# Altium PCB PCB_Droppy_v1.PcbDoc (continued)
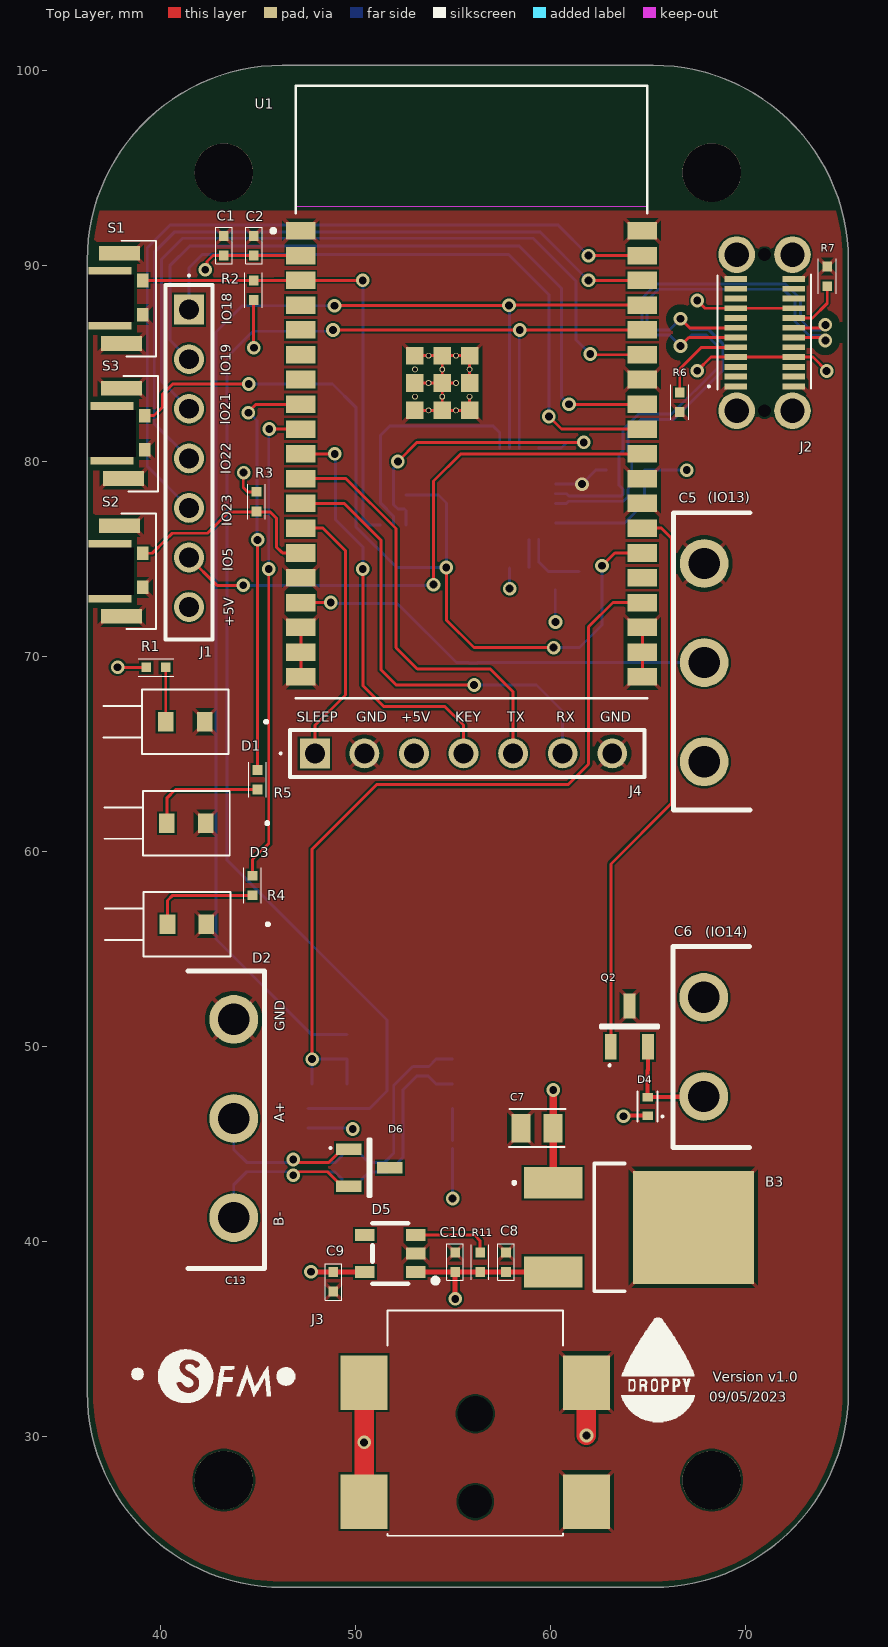
[diagram p0: Top Layer view]
## Components (designator, comment, footprint, x,y, rotation, side; value= is the part's Value field where it differs from the comment) (continued)
S1 "2425578-1" 2425578-1 39.409,88.369 r90 top
S2 "2425578-1" 2425578-1 39.409,74.391 r90 top
S3 "2425578-1" 2425578-1 39.51,81.446 r90 top
U1 "ESP32-WROVER-IE-N16R8" XCVR_ESP32-WROVER-E-N4R8 55.95,83.54 r0 top locked
X1 "CRCW040210R0FKEDHP" RESC1005X40N 49.825,43.198 r180 bottom
X2 "CRCW040210R0FKEDHP" RESC1005X40N 49.825,44.418 r180 bottom

## Footprints (in the part's own frame and the unit in brackets; to place one, negate y for a bottom-side part, rotate by r counter-clockwise, add the part's x,y. Pads: shape width x height; smd on the part's side, far side on the other; paste and mask are expansions set on the pad)
1SS400CSFHT2RA [mm]
  rect 0.55x0.45 smd: 1(0,0.475) 2(0,-0.474)
  silkscreen extent -0.81,-0.76 0.51,0.76, body extent -0.3,-0.65 0.3,0.65, height 0.5
5EDGRHC-7.62-02P-10020000939 [mm]
  round 2.5 hole 1.6: 1(2.6,1.2) 2(7.68,1.2)
  silkscreen extent 0,-0.38 10.29,3.56, body extent 0.13,0 10.29,9.2, height 2.4
15EDGRC-5.08-03P-10030000282 [mm]
  round 2.5 hole 1.6: 1(2.6,1.2) 2(7.68,1.2) 3(12.76,1.2)
  silkscreen extent 0,-0.38 15.24,3.56, body extent 0,0 15.24,9.2, height 7.24
54101S0807LF [mm]
  rect 1.53x1.53 hole 1.02: 1(0,0)
  round 1.53 hole 1.02: 2(2.54,0) 3(5.08,0) 4(7.62,0) 5(10.16,0) 6(12.7,0) 7(15.24,0)
  silkscreen extent -1.8,-1.2 16.9,1.2
2425578-1 [mm]
  rect 0.7x0.6 smd: 1(-0.864,0.3) 2(0.884,0.3)
  rect 0.75x2.1 smd: GND(-2.341,1.4) GND(2.286,1.5)
  rect 3.2x2.2 hole 2.4 square: GND(-0.03,1.977)
  silkscreen extent -3,-0.38 2.92,1.4, body extent -2.26,0.1 2.24,3.1, height 1.6
5942604013F [mm]
  rect 0.8x0.99 smd: 1(0.995,0) 2(-0.995,0)
  silkscreen extent -4.19,-1.65 4.2,1.65, body extent -5.65,-2.16 3.11,2.16, height 5.03
CAPC1005X40N [mm]
  rect 0.5x0.5 smd: 1(-0.5,0) 2(0.5,0)
  silkscreen extent -0.95,-0.43 0.92,0.43, body extent -0.5,-0.25 0.5,0.25
CAPC1608X90N [mm]
  rect 0.75x0.94 smd: 1(-0.7,0) 2(0.7,0)
  silkscreen extent -1.38,-0.67 1.4,0.68, body extent -0.8,-0.4 0.8,0.4, height 0.9
CAPC2012X145N [mm]
  rect 0.97x1.47 smd: 1(-0.83,0) 2(0.83,0)
  silkscreen extent -1.44,-0.97 1.47,0.98, body extent -1,-0.63 1,0.63, height 1.45
MC7805CDTG [mm]
  rect 1.6x3 smd: 1(-2.285,-5.152) 3(2.285,-5.152)
  rect 5.8x6.2 smd: 2(0,2.027)
  silkscreen extent -3.27,-7.2 3.27,-1.5, body extent -3.25,-5.72 3.25,4.19, height 2.39
PJ002AHSMTTR [mm]
  rect 2.8x2.4 smd: 2(-2.4,-5.7) 3(3.7,-5.7) A1(3.7,5.7) B1(-2.4,5.7)
  round 0.85 hole 1.7 unplated: MH1(-2.4,0)
  round 0.9 hole 1.8 unplated: MH2(2.1,0)
  silkscreen extent -4.15,-4.5 7.4,4.5, body extent -7.4,-6.35 7.4,6.25, height 11.2
QFN50P500X500X80-29N-D [mm]
  rect 1x0.3 smd: 1(-2.35,1.5) 2(-2.35,1) 3(-2.35,0.5) 4(-2.35,0) 5(-2.35,-0.5) 6(-2.35,-1) 7(-2.35,-1.5) 15(2.35,-1.5) 16(2.35,-1) 17(2.35,-0.5) 18(2.35,0) 19(2.35,0.5) 20(2.35,1) 21(2.35,1.5)
  rect 0.3x1 smd: 8(-1.5,-2.35) 9(-1,-2.35) 10(-0.5,-2.35) 11(0,-2.35) 12(0.5,-2.35) 13(1,-2.35) 14(1.5,-2.35) 22(1.5,2.35) 23(1,2.35) 24(0.5,2.35) 25(0,2.35) 26(-0.5,2.35) 27(-1,2.35) 28(-1.5,2.35)
  rect 3.35x3.35 smd: 29(0,0)
  silkscreen extent -3.55,-3.13 3.18,3.07, body extent -2.55,-2.55 2.55,2.55, height 0.8
RESC1005X40N [mm]
  rect 0.5x0.5 smd: 1(-0.5,0) 2(0.5,0)
  silkscreen extent -0.9,-0.45 0.9,0.45, body extent -0.5,-0.25 0.5,0.25, height 0.4
SOIC127P600X175-8N [mm]
  rect 1.528x0.65 smd: 1(-2.711,1.905) 2(-2.711,0.635) 3(-2.711,-0.635) 4(-2.711,-1.905) 5(2.711,-1.905) 6(2.711,-0.635) 7(2.711,0.635) 8(2.711,1.905)
  silkscreen extent -1.6,-2.45 1.6,2.45, body extent -3,-2.45 3,2.45, height 1.75
SOP65P488X117-8N [mm]
  rect 1.4x0.45 smd: 1(-2.2,0.975) 2(-2.2,0.325) 3(-2.2,-0.325) 4(-2.2,-0.975) 5(2.2,-0.975) 6(2.2,-0.325) 7(2.2,0.325) 8(2.2,0.975)
  silkscreen extent -3.38,-1.5 1.15,1.5, body extent -2.44,-1.5 2.44,1.5, height 1.17
SOT95P237X112-3N [mm]
  rect 1.3x0.6 smd: 1(-1.05,0.95) 2(-1.05,-0.95) 3(1.05,0)
  silkscreen extent -1.99,-1.46 0.05,1.46, body extent -1.44,-1.46 0.93,1.46, height 1.12
SOT-23-5_L2.9-W1.6-P0.95-LS2.8-BR [mm]
  rect 1x0.6 smd mask+0.051: 1(0.456,2.728) 2(0.456,1.778) 3(0.456,0.828) 4(3.056,0.828) 5(3.056,2.728)
  silkscreen extent -0.68,0.23 2.66,3.33, body extent 0.34,0.35 3.14,3.25, height 1.25
UMH3NTN [mm]
  rect 0.65x0.4 smd: 1(-0.775,0.65) 2(-0.775,0) 4(0.775,-0.65) 5(0.775,0) 6(0.775,0.65)
  rect 0.65x0.4 smd mask+0.1: 3(-0.775,-0.65)
  silkscreen extent -1.59,-1.05 1.3,1.05, body extent -1.05,-1 1.05,1, height 1
USB4160030170C [mm]
  rect 0.3x1.15 smd: A1(-2.75,1.485) A2(-2.25,1.485) A3(-1.75,1.485) A4(-1.25,1.485) A5(-0.75,1.485) A6(-0.25,1.485) A7(0.25,1.485) A8(0.75,1.485) A9(1.25,1.485) A10(1.75,1.485) A11(2.25,1.485) A12(2.75,1.485) B1(2.75,-1.485) B2(2.25,-1.485) B3(1.75,-1.485) B4(1.25,-1.485) B5(0.75,-1.485) B6(0.25,-1.485) B7(-0.25,-1.485) B8(-0.75,-1.485) B9(-1.25,-1.485) B10(-1.75,-1.485) B11(-2.25,-1.485) B12(-2.75,-1.485)
  round 1.875 hole 1.25: MH1(-4,1.43) MH2(4,1.43) MH5(-4,-1.43) MH6(4,-1.43)
  round 0.33 hole 0.66 unplated: MH3(-4,0) MH4(4,0)
  silkscreen extent -2.92,-2.38 2.98,2.9, body extent -4.44,-1.85 4.5,1.84, height 7.46
XCVR_ESP32-WROVER-E-N4R8 [mm]
  rect 1.5x0.9 smd: 1(-8.75,8.26) 2(-8.75,6.99) 3(-8.75,5.72) 4(-8.75,4.45) 5(-8.75,3.18) 6(-8.75,1.91) 7(-8.75,0.64) 8(-8.75,-0.63) 9(-8.75,-1.9) 10(-8.75,-3.17) 11(-8.75,-4.44) 12(-8.75,-5.71) 13(-8.75,-6.98) 14(-8.75,-8.25) 15(-8.75,-9.52) 16(-8.75,-10.79) 17(-8.75,-12.06) 18(-8.75,-13.33) 19(-8.75,-14.6) 20(8.75,-14.6) 21(8.75,-13.33) 22(8.75,-12.06) 23(8.75,-10.79) 24(8.75,-9.52) 25(8.75,-8.25) 26(8.75,-6.98) 27(8.75,-5.71) 28(8.75,-4.44) 29(8.75,-3.17) 30(8.75,-1.9) 31(8.75,-0.63) 32(8.75,0.64) 33(8.75,1.91) 34(8.75,3.18) 35(8.75,4.45) 36(8.75,5.72) 37(8.75,6.99) 38(8.75,8.26)
  round 0.3 hole 0.2 mask+0: 39_1(-2.9,-0.24) 39_1(-2.9,1.16) 39_1(-2.2,-0.94) 39_1(-2.2,0.46) 39_1(-2.2,1.86) 39_1(-1.5,-0.24) 39_1(-1.5,1.16) 39_1(-0.8,-0.94) 39_1(-0.8,0.46) 39_1(-0.8,1.86) 39_1(-0.1,-0.24) 39_1(-0.1,1.16)
  rect 0.9x0.9 smd: 39_1(-2.9,1.86) 39_2(-1.5,1.86) 39_3(-0.1,1.86) 39_4(-2.9,0.46) 39_5(-1.5,0.46) 39_6(-0.1,0.46) 39_7(-2.9,-0.94) 39_8(-1.5,-0.94) 39_9(-0.1,-0.94)
  Keep-Out Layer region: 9,9.48 -9,9.48 -9,15.7 9,15.7
  silkscreen extent -10.26,-15.7 9,15.7, body extent -9.5,-16.03 8.5,15.37, height 3.3

## Part data
B1: "USB Interface IC USB to UART bridge - QFN28", Manufacturer_Name="Silicon Labs", Mouser Part Number=634-CP2102NA02QFN28R, Arrow Part Number=CP2102N-A02-GQFN28R, Arrow Price/Stock=https://www.arrow.com/en/products/cp2102n-a02-gqfn28r/silicon-labs?region=nac, Datasheet Link=https://www.silabs.com/documents/public/data-sheets/cp2102n-datasheet.pdf, Geometry.Height=0.8mm, Manufacturer_Part_Number=CP2102N-A02-GQFN28R, Mouser Price/Stock=https://www.mouser.co.uk/ProductDetail/Silicon-Labs/CP2102N-A02-GQFN28R?qs=u16ybLDytRag4qKvSH3fTw%3D%3D
B2: "TVS Diode Arrays", Manufacturer_Name=LITTELFUSE, Mouser Part Number=576-SP0506BAATG, Datasheet Link=https://www.littelfuse.com/~/media/electronics/datasheets/tvs_diode_arrays/littelfuse_tvs_diode_array_sp05_datasheet.pdf.pdf, Geometry.Height=1.17mm, Manufacturer_Part_Number=SP0506BAATG, Mouser Price/Stock=https://www.mouser.co.uk/ProductDetail/Littelfuse/SP0506BAATG?qs=RnOBYWd%2Fz7c6KTUitxDieg%3D%3D, Supplier 1="Arrow Electronics", Supplier Part Number 1=SP0506BAATG
B3: "Linear Voltage Regulators 5V 1A Positive", Manufacturer_Name=onsemi, Mouser Part Number=863-MC7805CDTG, Datasheet Link=https://www.onsemi.com/pdf/datasheet/mc7800-d.pdf, Geometry.Height=2.51mm, Manufacturer_Part_Number=MC7805CDTG, Mouser Price/Stock=https://www.mouser.co.uk/ProductDetail/onsemi/MC7805CDTG?qs=%252B9%2Fcbd0IE0RdeBGvK4GFRg%3D%3D
B4: "3.3-V to 5-V RS-485 transceiver with +/-18-kV IEC ESD protection", Manufacturer_Name="Texas Instruments", Mouser Part Number=595-THVD1410DR, Datasheet Link=http://www.ti.com/lit/gpn/THVD1410, Geometry.Height=1.75mm, Manufacturer_Part_Number=THVD1410DR, Mouser Price/Stock=https://www.mouser.co.uk/ProductDetail/Texas-Instruments/THVD1410DR?qs=chTDxNqvsylen%252BY7bN3dRQ%3D%3D
C1 C4 C8: "Capacitor MLCC 0402 100nF 16V AVX 0402 Standard 100nF Ceramic Multilayer Capacitor, 16 V dc, +85C, X5R Dielectric, +/-10% SMD", Manufacturer_Name=AVX, Mouser Part Number=581-0402YD104K, Geometry.Height=0.56mm, Manufacturer_Part_Number=0402YD104KAT2A, Mouser Price/Stock=https://www.mouser.co.uk/ProductDetail/AVX/0402YD104KAT2A?qs=fS3i9m8Z%2FmrV7G1UZb6Y7g%3D%3D, Supplier 1=Avnet, Supplier Part Number 1=0402YD104KAT2A
C2: "Multilayer Ceramic Capacitors MLCC - SMD/SMT 10V 0.022uF X5R 0402 10%", Manufacturer_Name=AVX, Manufacturer_Part_Number=0402YD104KAT2A, Mouser Part Number=581-0402ZD223KAT2A, Geometry.Height=0.56mm, Mouser Price/Stock=https://www.mouser.co.uk/ProductDetail/AVX/0402YD104KAT2A?qs=fS3i9m8Z%2FmrV7G1UZb6Y7g%3D%3D, Supplier 1=Avnet, Supplier Part Number 1=0402YD104KAT2A
C3: "Multilayer Ceramic Capacitors MLCC - SMD/SMT 25V .1uF X7R 0402", Manufacturer_Name=AVX, Mouser Part Number=581-04023C104KAT4A, Supplier Part Number 1=0402YD104KAT2A, Geometry.Height=0.56mm, Manufacturer_Part_Number=04023C104KAT4A, Mouser Price/Stock=https://www.mouser.co.uk/ProductDetail/AVX/0402YD104KAT2A?qs=fS3i9m8Z%2FmrV7G1UZb6Y7g%3D%3D, Supplier 1=Avnet
C5 C13: library part 15EDGRC-5.08-03P, "Pluggable Terminal Blocksnominal current7A.Rated voltage(Ⅱ/2)：450V,pitch:5.08mm,Color:green,Contact surface:Tin"
C6: library part 5EDGRHC-7.62-02P, "Pluggable Terminal Blocksnominal current7A.Rated voltage(Ⅱ/2)：450V,pitch:5.08mm,Color:green,Contact surface:Tin"
C7: "Multilayer Ceramic Chip Capacitors, Capacitance=0.33uF, LxWxT:2x1.25x1.25mm", Manufacturer_Name=TDK, Mouser Part Number=810-CGA4J1X8L1H334K1, Geometry.Height=1.45mm, Manufacturer_Part_Number=CGA4J1X8L1H334K125AC, Mouser Price/Stock=https://www.mouser.co.uk/ProductDetail/TDK/CGA4J1X8L1H334K125AC?qs=W%2FMpXkg%252BdQ7wXGeZmfNwXQ%3D%3D
C9 C10: "Multilayer Ceramic Capacitors MLCC - SMD/SMT 16V 4.7uF 20% X5R 0402", Manufacturer_Name=AVX, Mouser Part Number=581-0402YD475MAT2A, Geometry.Height=0.71mm, Manufacturer_Part_Number=0402YD475MAT2A, Mouser Price/Stock=https://www.mouser.co.uk/ProductDetail/AVX/0402YD475MAT2A?qs=s6nfgz3miVxwCmHE9M6tUg%3D%3D, Supplier 1="Arrow Electronics", Supplier Part Number 1=0402YD475MAT2A
C11 C12: "Ceramic  SMT capacitor 100nF 25Vdc Murata 0603 GRM 1uF Ceramic Multilayer Capacitor, 25 V dc, +125degC, X7R Dielectric,  /-10%", Manufacturer_Name="Murata Electronics", Manufacturer_Part_Number=GRM188R71E105KA12D, Mouser Part Number=81-GRM188R71E105KA2D, Datasheet Link=https://datasheet.datasheetarchive.com/originals/distributors/Datasheets_SAMA/ec4f1577dddcc7a13ddad897a28002d3.pdf, Geometry.Height=0.9mm, Mouser Price/Stock=https://www.mouser.co.uk/ProductDetail/Murata-Electronics/GRM188R71E105KA12D?qs=62qOe8%2Fl8sHaxJyNXtrK%2FQ%3D%3D
D1 D2 D3: library part 594-2604-013F, "LED Circuit Board Indicators 1.6mm IceBlue 2mA 13in reel", Manufacturer_Name=Dialight, Mouser Part Number=645-594-2604-013F, Datasheet Link=https://www.mouser.cn/datasheet/2/109/C18409B-1729493.pdf, Geometry.Height=4.49mm, Manufacturer_Part_Number=594-2604-013F, Mouser Price/Stock=https://www.mouser.co.uk/ProductDetail/Dialight/594-2604-013F?qs=GBLSl2AkiruyIh94PfnoyA%3D%3D
D4: "Schottky Diode", Manufacturer_Name="ROHM Semiconductor", Mouser Part Number=755-RB520CM-60T2R, Datasheet Link=https://datasheet.datasheetarchive.com/originals/distributors/DKDS-18/356751.pdf, Height=0.4mm, Manufacturer_Part_Number=RB520CM-60T2R, Mouser Price/Stock=https://www.mouser.co.uk/ProductDetail/ROHM-Semiconductor/RB520CM-60T2R?qs=%2FKR40Cd6GUpWo9GUBmk4zQ%3D%3D
D5: library part "ME6217C33M5G / SOT23-5"
D6: "Diode", Manufacturer_Name=Bourns, Mouser Part Number=652-CDSOT23-SM712, Arrow Part Number=CDSOT23-SM712, Arrow Price/Stock=https://www.arrow.com/en/products/cdsot23-sm712/bourns?region=europe, Datasheet Link=http://uk.rs-online.com/web/p/products/7673728, Height=1.17mm, Manufacturer_Part_Number=CDSOT23-SM712, Mouser Price/Stock=https://www.mouser.co.uk/ProductDetail/Bourns/CDSOT23-SM712?qs=FuI%252BOVLl4%2FLTY%2FGQ265RLA%3D%3D
J1: "BergStik, Board to Board connector, Unshrouded vertical Header, Through Hole, Single Row, 6 Positions, 2.54 mm Pitch.", Manufacturer_Name="Amphenol Communication Solutions", Mouser Part Number=649-54101-S0807LF, Datasheet Link=https://cdn.amphenol-cs.com/media/wysiwyg/files/drawing/54101.pdf, Geometry.Height=8.58mm, Manufacturer_Part_Number=54101-S0807LF, Mouser Price/Stock=https://www.mouser.co.uk/ProductDetail/Amphenol-FCI/54101-S0803LF?qs=iiM6sTJtPEc921tw16XaKg%3D%3D
J2: "USB Connectors USB-C Rec 3u\" Vert 24P SMT 1.7mm TH stakes H7.46mm T+R+Cap", Manufacturer_Name="GCT (GLOBAL CONNECTOR TECHNOLOGY)", Mouser Part Number=640-USB4160-3-0170-C, Datasheet Link=https://gct.co/Files/Drawings/USB4160.pdf?v=75f6cea7-84cd-41d4-89e8-137dc7b10777, Geometry.Height=7.66mm, Manufacturer_Part_Number=USB4160-03-0170-C, Mouser Price/Stock=https://www.mouser.co.uk/ProductDetail/GCT/USB4160-03-0170-C?qs=vvQtp7zwQdMCGQNngnxScA%3D%3D
J3: "DC Power Connectors Power Jacks", Manufacturer_Name="CUI Devices", Mouser Part Number=490-PJ-002AH-SMT-TR, Supplier Part Number 1=CP-002AHPJCT-ND, Datasheet Link=https://www.cuidevices.com/product/resource/pj-002ah-smt-tr.pdf, Geometry.Height=11.23mm, Manufacturer_Part_Number=PJ-002AH-SMT-TR, Mouser Price/Stock=https://www.mouser.co.uk/ProductDetail/CUI-Devices/PJ-002AH-SMT-TR?qs=WyjlAZoYn52i5LSWfoFS9w%3D%3D, Supplier 1=Digi-Key
J4: library part "SIM7000G CONNETEUR", "BergStik, Board to Board connector, Unshrouded vertical Header, Through Hole, Single Row, 6 Positions, 2.54 mm Pitch.", Manufacturer_Name="Amphenol Communication Solutions", Mouser Part Number=649-54101-S0807LF, Datasheet Link=https://cdn.amphenol-cs.com/media/wysiwyg/files/drawing/54101.pdf, Geometry.Height=8.58mm, Manufacturer_Part_Number=54101-S0807LF, Mouser Price/Stock=https://www.mouser.co.uk/ProductDetail/Amphenol-FCI/54101-S0803LF?qs=iiM6sTJtPEc921tw16XaKg%3D%3D
Q1: "Bipolar Transistors - Pre-Biased DUAL NPN 50V 100MA SOT-363", Manufacturer_Name="ROHM Semiconductor", Mouser Part Number=755-UMH3NTN, Supplier Part Number 1=UMH3NTNCT-ND, Datasheet Link=https://componentsearchengine.com/Datasheets/2/UMH3NTN.pdf, Geometry.Height=1mm, Manufacturer_Part_Number=UMH3NTN, Mouser Price/Stock=https://www.mouser.co.uk/ProductDetail/ROHM-Semiconductor/UMH3NTN?qs=4kLU8WoGk0st6ahJ6z2bmw%3D%3D, Supplier 1=Digi-Key
Q2: "MOSFET MOSFT 3.4A 63mOhm 30V 2.5V drv capable", Manufacturer_Name=Infineon, Manufacturer_Part_Number=IRFR2905ZTRPBF, Mouser Part Number=942-IRLML6346TRPBF, Datasheet Link=https://www.infineon.com/dgdl/irfr2905zpbf.pdf?fileId=5546d462533600a401535630e7222088, Geometry.Height=2.52mm, Mouser Price/Stock=https://www.mouser.co.uk/ProductDetail/Infineon-IR/IRFR2905ZTRPBF?qs=Z8%252BeY1k3TIIasKM0WUX9RA%3D%3D
R1: library part CRCW040240R2FKEDC, "Résistances à couches épaisses - CMS 1/16watt 40.2ohms 1% Commercial Use", Manufacturer_Name=Vishay, Mouser Part Number=71-CRCW040240R2FKEDC, Supplier Part Number 1=59M6737, Datasheet Link=http://www.vishay.com/docs/20035/dcrcwe3.pdf, Geometry.Height=0.4mm, Manufacturer_Part_Number=CRCW040240R2FKEDC, Mouser Price/Stock=https://www.mouser.co.uk/ProductDetail/Vishay-Dale/CRCW04024K70JNED?qs=iWCWVRvNViwY%252BotGHUbALg%3D%3D, Supplier 1=Avnet
R2 R12 R13: "Yageo 10k, 0402 (1005M) Thick Film SMD Resistor +/-1% 0.063W - RC0402FR-0710KL", Manufacturer_Name=YAGEO, Mouser Part Number=603-RC0402FR-0710KL, Supplier Part Number 1=7468275, Datasheet Link=https://componentsearchengine.com/Datasheets/2/RC0402FR-0710KL.pdf, Geometry.Height=0.4mm, Manufacturer_Part_Number=RC0402FR-0710KL, Mouser Price/Stock=https://www.mouser.co.uk/ProductDetail/YAGEO/RC0402FR-0710KL?qs=I1mnnYJTTsxUoNwrUsQExA%3D%3D, Supplier 1="Future Electronics"
R3 R11: "Thin Film Resistors - SMD 1/16W 1K ohm .1% 50ppm", Manufacturer_Name=YAGEO, Mouser Part Number=603-RT0402BRE071KL, Supplier Part Number 1=3025706, Datasheet Link=https://componentsearchengine.com/Datasheets/2/RC0402FR-0710KL.pdf, Geometry.Height=0.4mm, Manufacturer_Part_Number=RT0402BRE071KL, Mouser Price/Stock=https://www.mouser.co.uk/ProductDetail/YAGEO/RC0402FR-0710KL?qs=I1mnnYJTTsxUoNwrUsQExA%3D%3D, Supplier 1="Future Electronics"
R4 R5: library part CRCW040280R6FKED, "Résistances à couches épaisses - CMS 1/16watt 80.6ohms 1%", Manufacturer_Name=Vishay, Mouser Part Number=71-CRCW0402-80.6-E3, Supplier Part Number 1=59M6737, Datasheet Link=http://www.vishay.com/docs/20035/dcrcwe3.pdf, Geometry.Height=0.4mm, Manufacturer_Part_Number=CRCW040280R6FKED, Mouser Price/Stock=https://www.mouser.co.uk/ProductDetail/Vishay-Dale/CRCW04024K70JNED?qs=iWCWVRvNViwY%252BotGHUbALg%3D%3D, Supplier 1=Avnet
R6 R7: "Thick Film Resistors - SMD 3/4watt 5.1Kohms 5%", Manufacturer_Name=Vishay, Mouser Part Number=71-CRCW0402-5.1K-E3, Supplier Part Number 1=43C3867, Datasheet Link=http://www.vishay.com/docs/20035/dcrcwe3.pdf, Geometry.Height=0.4mm, Manufacturer_Part_Number=CRCW04025K10FKED, Mouser Price/Stock=https://www.mouser.co.uk/ProductDetail/Vishay-Dale/CRCW04024K70JNED?qs=iWCWVRvNViwY%252BotGHUbALg%3D%3D, Supplier 1=Avnet
R8: "Résistances à couches épaisses - CMS 1/16watt 22.1Kohms 1%", Manufacturer_Name=Vishay, Mouser Part Number=71-CRCW0402-22.1K-E3, Supplier Part Number 1=59M6737, Datasheet Link=http://www.vishay.com/docs/20035/dcrcwe3.pdf, Geometry.Height=0.4mm, Manufacturer_Part_Number=CRCW040222K1FKED, Mouser Price/Stock=https://www.mouser.co.uk/ProductDetail/Vishay-Dale/CRCW04024K70JNED?qs=iWCWVRvNViwY%252BotGHUbALg%3D%3D, Supplier 1=Avnet
R9: "VISHAY - CRCW04024K70JNED - RES, THICK FILM, 4K7, 5%, 0.063W, 0402", Manufacturer_Name=Vishay, Mouser Part Number=71-CRCW0402J-4.7K-E3, Datasheet Link=http://www.vishay.com/docs/20035/dcrcwe3.pdf, Geometry.Height=0.4mm, Manufacturer_Part_Number=CRCW04024K70JNED, Mouser Price/Stock=https://www.mouser.co.uk/ProductDetail/Vishay-Dale/CRCW04024K70JNED?qs=iWCWVRvNViwY%252BotGHUbALg%3D%3D, Supplier 1="Arrow Electronics", Supplier Part Number 1=CRCW04024K70JNED
R10: "Résistances à couches épaisses - CMS 1/16watt 47.5Kohms 1%", Manufacturer_Name=Vishay, Mouser Part Number=71-CRCW0402-47.5K-E3, Supplier Part Number 1=59M6737, Datasheet Link=http://www.vishay.com/docs/20035/dcrcwe3.pdf, Geometry.Height=0.4mm, Manufacturer_Part_Number=CRCW040247K5FKED, Mouser Price/Stock=https://www.mouser.co.uk/ProductDetail/Vishay-Dale/CRCW04024K70JNED?qs=iWCWVRvNViwY%252BotGHUbALg%3D%3D, Supplier 1=Avnet
S1 S2 S3: "Interrupteurs de contact Edge mount, right angle tactile, 160gf"
U1: library part ESP32-WROVER-E-N4R8, "Bluetooth, WiFi 802.11b/g/n, Bluetooth v4.2 +EDR Transceiver Module 2.4GHz ~ 2.5GHz PCB Trace Surface Mount", Package=None, Supplier Part Number 1=356-ESP32WRVE23264PC, Availability="In Stock", Check_prices=https://www.snapeda.com/parts/ESP32WROVEREN4R8/Espressif+Systems/view-part/?ref=eda, MF="Espressif Systems", MP=ESP32WROVEREN4R8, Price=None, Purchase-URL=https://pricing.snapeda.com/search/part/ESP32WROVEREN4R8/?ref=eda, SnapEDA_Link=https://www.snapeda.com/parts/ESP32WROVEREN4R8/Espressif+Systems/view-part/?ref=snap, Supplier 1=Mouser
X1 X2: "Résistances à couches épaisses - CMS 0.2W 10ohms 1% High Power AEC-Q200", Manufacturer_Name=Vishay, Mouser Part Number=71-CRCW040210R0FKEDH, Datasheet Link=http://www.vishay.com/docs/20035/dcrcwe3.pdf, Geometry.Height=0.4mm, Manufacturer_Part_Number=CRCW040210R0FKEDHP, Mouser Price/Stock=https://www.mouser.co.uk/ProductDetail/Vishay-Dale/CRCW040227K4FKTD?qs=r5im4gEiTnFagxYI2ivMOg%3D%3D, Supplier 1=Mouser, Supplier Part Number 1=71-CRCW040210R0FKEDH

## Free pads (board coordinates)
  round 3 hole 3 unplated mask-3: 37(43.256,27.781) 37(43.256,94.781) 37(68.256,27.781) 37(68.256,94.781)

## Via types
v1: diameter 0.7, hole 0.4, Top Layer to Bottom Layer, 52 vias

## Nets (pads, with @x,y where several pads share a name; then routed paths per layer and width w, separated by ;. In a path a pad name is that pad's centre, name@x,y a point inside that pad or via, vN(x,y) a via of type N, cw(c..) or ccw(c..) an arc to the next point about the centre after c; other vN are vias at no path point)
+3V3: C1.2 C2.2 C9.2 D5.5 J1.7 R1.1 R2.2 R3.1 R9.1 U1.2 | length 14.7
  Top Layer w0.15: v1@37.823,69.431 R1.1 ; v1(42.304,89.803) 42.395,89.894 42.395,90.225 42.7,90.53 C1.2 C2.2 U1.2 ; v1(44.27,79.409) 44.253,79.393 44.253,78.646 44.477,78.423 R3.1 ; R2.2 44.787,85.815 v1(44.797,85.805)
  Top Layer w0.25: v1(47.721,38.46) 47.741,38.441 C9.2 49.116,38.441 49.12,38.445 D5.5
  Bottom Layer w0.15: R9.1@57.895,74.52 57.895,73.473 v1(57.902,73.466)
  other v1: 37.813,69.44
+5V: B1.7 B2.5 B3.3 B4.8 C3.2 C4.2 C5.3 C8.2 C10.2 C11.2 C12.1 D5.1 J2.A4 J2.A9 J2.B4 J2.B9 J4.3 R8.2 R11.1 R12.2 | length 37.8
  Top Layer w0.15: D5.1@53.06,38.42 D5.1 ; v1(67.52,84.63) 68.22,85.33 J2.A4 J2.B9 73.441,85.33 74.144,84.628 v1(74.144,84.617) ; v1(67.52,88.23) 67.92,87.83 J2.B4
  Top Layer w0.25: D5.1 C10.2 ; v1(55.111,37.07) C10.2 ; B3.3 C8.2 R11.1 C10.2
  Bottom Layer w0.15: R12.2 49.811,45.817 v1(49.858,45.77) ; v1(54.981,42.215) C12.1@54.981,44.778 ; C12.1 B4.8 ; R8.2@60.241,73.384 R8.2 60.241,71.764 v1(60.253,71.751) ; B1.7 61.191,76.825 61.2,76.834 61.699,76.834 C4.2 C3.2 63.797,76.834 64.81,77.847 B2.5 v1(66.975,79.538)
+12V: B3.1 C6.1 C7.2 D4.1 J3.A1 J3.B1 | length 12.1
  Top Layer w0.2: v1@63.773,46.456 D4.1
  Top Layer w0.4: B3.1@60.101,43.015 60.134,43.048 C7.2 v1(60.134,47.776) ; v1(63.74,46.423) v1@63.773,46.456
  Top Layer w0.5: v1@50.44,29.712 v1(50.443,29.716) v1@50.44,29.719
  Top Layer w1: J3.B1 v1@50.44,29.712 ; v1@50.44,29.719 J3.A1
Boot: Q1.3 S3.2 U1.25 | length 46.7
  Top Layer w0.15: S3.2 39.678,82.33 40.111,82.763 40.111,83.424 40.64,83.954 v1(44.537,83.954) ; v1(54.658,74.545) 54.658,71.857 56.073,70.442 v1(60.155,70.442) ; v1(62.635,74.634) 63.292,75.29 U1.25
  Bottom Layer w0.15: v1(44.537,83.954) 48.829,83.954 50.019,82.764 50.019,76.639 52.113,74.545 v1(54.658,74.545) 54.67,74.556 54.67,77.849 54.25,78.269 Q1.3 ; v1(60.155,70.442) 61.482,70.442 62.635,71.596 v1(62.635,74.634)
DTR: B1.28 Q1.2 Q1.4 | length 16.2
  Top Layer w0.15: v1(52.175,79.975) 53.16,80.96 v1(61.699,80.96)
  Bottom Layer w0.15: v1(52.175,79.975) 52.175,79.843 51.943,79.612 Q1.2 51.943,77.782 52.175,77.55 52.506,77.55 52.593,77.462 Q1.4 ; B1.28 60.54,80.675 60.825,80.96 v1(61.699,80.96)
GND: B1.3 B2.1 B2.8 B3.2 B4.5 C1.1 C2.1 C3.1 C4.1 C5.1 C7.1 C8.1 C9.1 C10.1 C11.1 C12.2 C13.3 D1.1 D2.1 D3.1 D5.2 J2.A1 J2.A12 J2.B1 J2.B12 J3.2 J3.3 J4.2 J4.7 Q2.3 R6.2 R7.2 R10.1 R13.1 S1.1 S1.GND S2.1 S2.GND S3.1 S3.GND U1.1 U1.15 U1.17 U1.18 U1.19 U1.20 U1.21 U1.22 U1.27 U1.28 U1.32 U1.38 U1.39_1 U1.39_2 U1.39_3 U1.39_4 U1.39_5 U1.39_6 U1.39_7 U1.39_8 U1.39_9 | length 23.3
  Top Layer w0.15: U1.19 U1.18 U1.17 ; U1.39_7 53.75,82.6 U1.39_8 ; U1.39_4 53.75,84 U1.39_5 ; U1.39_1@53.05,85.4 53.75,85.4 U1.39_2 ; U1.39_1@55.15,84 U1.39_5 ; U1.39_1@55.85,83.3 U1.39_9 55.15,82.6 U1.39_8 ; U1.39_6 55.85,84.7 U1.39_3 55.15,85.4 U1.39_2 ; U1.20 U1.21 U1.22 ; U1.39_8 54.45,83.3 U1.39_5 ; U1.39_5 54.45,84.7 U1.39_2
  Top Layer w1: v1(61.84,30.07) J3.3
  Bottom Layer w0.15: B1.3 v1@61.605,78.825 ; v1(61.609,78.821) v1@61.605,78.825 ; B2.8 62.31,79.538 61.605,78.833 v1@61.605,78.825
IO5/CS: J1.6 U1.29 | length 29.7
  Top Layer w0.15: J1.6 42.896,73.634 v1(44.25,73.634) ; v1(54,73.67) 54,78.975 55.395,80.37 U1.29
  Bottom Layer w0.15: v1(44.25,73.634) 53.964,73.634 v1(54,73.67)
IO12: R3.2 S2.2 U1.14 | length 10.7
  Top Layer w0.15: S2.2 39.586,75.275 40.265,75.954 40.265,75.956 40.611,76.302 42.417,76.302 43.515,77.4 45.2,77.4 45.629,77.4 45.947,77.082 45.947,75.602 46.2,75.349 46.26,75.29 U1.14
IO18/SCLK: J1.1 U1.30 | length 33
  Top Layer w0.15: v1(59.914,82.284) 60.558,81.64 U1.30
  Bottom Layer w0.15: J1.1 41.47,89.902 42.163,90.595 57.842,90.595 59.914,88.524 v1(59.914,82.284)
IO19/MISO: J1.2 U1.31 | length 36.4
  Top Layer w0.15: v1(60.943,82.91) U1.31
  Bottom Layer w0.15: J1.2 40.487,86.203 40.487,90.005 41.495,91.013 58.407,91.013 60.552,88.868 60.552,83.301 v1(60.943,82.91)
IO21/SDA: J1.3 U1.33 | length 37.6
  Top Layer w0.15: v1(62.03,85.49) 62.07,85.45 U1.33
  Bottom Layer w0.15: J1.3 40.056,84.094 40.056,90.342 41.133,91.419 59.101,91.419 61.305,89.215 61.305,86.215 v1(62.03,85.49)
IO22/SCL: J1.4 U1.36 | length 37.8
  Top Layer w0.15: v1(61.945,89.26) U1.36
  Bottom Layer w0.15: J1.4 39.693,81.917 39.693,90.702 40.739,91.748 59.457,91.748 v1(61.945,89.26)
IO23/MOSI: J1.5 U1.37 | length 40.7
  Top Layer w0.15: v1(61.945,90.53) U1.37
  Bottom Layer w0.15: J1.5 39.331,79.739 39.331,90.921 40.517,92.107 60.368,92.107 v1(61.945,90.53)
IO32: R5.1 U1.8 | length 21.4
  Top Layer w0.15: v1(44.514,82.48) 44.514,82.524 44.9,82.91 U1.8 ; R5.1 v1@44.98,75.954
  Bottom Layer w0.15: v1(44.514,82.48) 44.548,82.48 44.951,82.078 44.951,75.997 v1(44.987,75.961)
IO33: R4.1 U1.9 | length 24.9
  Top Layer w0.15: R4.1@44.73,58.73 44.73,59.58 45.56,60.41 v1(45.56,74.47) ; v1(45.589,81.642) 45.591,81.64 U1.9
  Bottom Layer w0.15: v1(45.56,74.47) 45.56,81.614 v1(45.589,81.642)
NetB1_8: B1.8 R8.1 R10.2 | length 3.4
  Bottom Layer w0.15: B1.8 59.395,74.829 59.882,74.343 R8.1 R10.2@61.449,74.343
NetB1_9: B1.9 R9.2 | length 1.4
  Bottom Layer w0.15: R9.2 58.895,74.81 B1.9
NetB1_25: B1.25 B4.4 U1.35 | length 69.6
  Top Layer w0.15: v1(48.924,87.96) 48.944,87.98 v1(57.87,87.98) 57.88,87.99 U1.35
  Bottom Layer w0.15: v1(48.924,87.96) 44.195,87.96 42.849,86.614 42.849,55.511 47.734,50.626 B4.4 ; v1(57.87,87.98) 57.895,87.955 B1.25
NetB1_26: B1.26 B4.1 R12.1 U1.34 | length 73.3
  Top Layer w0.15: v1(48.854,86.72) v1(58.423,86.72) ; v1(58.423,86.72) U1.34
  Bottom Layer w0.15: R12.1 47.82,46.817 47.821,46.816 B4.1 50.717,46.816 51.62,47.72 51.62,51.36 43.409,59.571 43.409,85.309 44.754,86.653 48.787,86.653 v1(48.854,86.72) ; B1.26 58.395,86.692 v1(58.423,86.72)
NetB4_2: B4.2 B4.3 R13.2 U1.23 | length 41.4
  Top Layer w0.15: v1(47.78,49.356) 47.78,60.113 51.093,63.426 60.908,63.426 61.95,64.468 61.95,71.509 63.191,72.75 U1.23
  Bottom Layer w0.15: R13.2 47.772,48.339 47.78,48.347 v1(47.78,49.356) B4.3 B4.2
NetC5_2: C5.2 U1.16 | length 22
  Top Layer w0.15: U1.16 48.73,72.75 v1(48.732,72.752)
  Bottom Layer w0.15: v1(48.732,72.752) 48.783,72.702 52.143,72.702 55.172,69.673 55.799,69.673 55.809,69.663 56.244,69.663 56.255,69.673 C5.2
NetC6_2: C6.2 D4.2 Q2.2 | length 7.2
  Top Layer w0.2: D4.2@64.923,47.405 D4.2 ; Q2.2 64.99,48.79 64.973,48.773 D4.2 ; D4.2@65.027,47.405 D4.2 ; D4.2@65.11,47.405 D4.2@65.198,47.405 ; D4.2@65.11,47.492 D4.2@65.198,47.405 ; 66.223,47.44 C6.2 ; C6.2@67.815,47.405 D4.2@65.198,47.405
  Top Layer w0.4: C6.2@67.815,47.405 C6.2
NetD1_2: D1.2 R1.2 | length 2.8
  Top Layer w0.15: D1.2 R1.2 R1.2@40.29,69.44
NetD2_2: D2.2 R4.2 | length 5.7
  Top Layer w0.15: D2.2 40.37,57.484 40.636,57.75 R4.2
NetD3_2: D3.2 R5.2 | length 5.9
  Top Layer w0.15: D3.2 40.335,62.725 40.775,63.165 R5.2@44.73,63.165
NetD5_3: D5.3 R11.2 | length 4.1
  Top Layer w0.15: D5.3 56.094,40.345 56.39,40.049 R11.2 R11.2@56.39,39.414
NetJ2_A5: J2.A5 R6.1 | length 4.5
  Top Layer w0.15: R6.1 66.618,84.713 67.735,85.83 J2.A5
NetJ2_B5: J2.B5 R7.1 | length 2.9
  Top Layer w0.15: J2.B5 73.415,87.33 74.177,88.092 R7.1
NetJ4_1: J4.1 U1.13 | length 13.8
  Top Layer w0.15: U1.13 48.337,76.56 49.49,75.407 49.49,68.02 47.92,66.45 J4.1
NetJ4_4: J4.4 U1.10 | length 21.7
  Top Layer w0.15: U1.10 v1(48.936,80.37) ; v1(50.38,74.47) 50.38,68.502 51.468,67.414 54.596,67.414 55.54,66.47 J4.4
  Bottom Layer w0.15: v1(48.936,80.37) 48.982,80.324 48.982,76.989 50.38,75.591 v1(50.38,74.47)
NetJ4_5: J4.5 U1.11 | length 22.1
  Top Layer w0.15: U1.11 49.522,79.1 52.08,76.542 52.08,70.44 53.17,69.35 56.91,69.35 58.08,68.18 J4.5
NetJ4_6: J4.6 U1.12 | length 23.9
  Top Layer w0.15: U1.12 49.432,77.83 51.317,75.946 51.317,69.303 52.093,68.527 v1(56.081,68.527)
  Bottom Layer w0.15: v1(56.081,68.527) 59.28,68.527 60.616,67.191 60.616,65.024 J4.6
NetQ1_6: Q1.6 R2.1 S1.2 U1.3 | length 24.5
  Top Layer w0.15: S1.2 R2.1 45.833,89.254 45.839,89.26 v1(50.38,89.26)
  Bottom Layer w0.15: v1(50.38,89.26) 50.38,77.072 50.733,76.719 Q1.6
NetQ2_1: Q2.1 U1.26 | length 29.1
  Top Layer w0.15: Q2.1 63.09,59.36 66.206,62.476 66.206,76.034 65.679,76.56 U1.26
RS485_0_N: B4.6 X2.1 | length 9
  Bottom Layer w0.15: X2.1 50.694,44.049 51.475,44.049 51.965,44.539 51.965,48.003 52.94,48.979 53.764,48.979 54.142,49.356 B4.6
RS485_0_P: B4.7 X1.1 | length 9
  Bottom Layer w0.15: X1.1 50.694,43.567 51.675,43.567 52.447,44.339 52.447,47.803 53.14,48.496 53.732,48.496 54.142,48.086 B4.7
RS485_1_N: C13.2 D6.1 X2.2 | length 10.9
  Top Layer w0.15: v1(46.815,44.208) 46.958,44.066 48.642,44.066 49.317,44.74 D6.1
  Bottom Layer w0.15: C13.2 43.766,44.729 44.43,44.066 46.672,44.066 v1(46.815,44.208) 46.958,44.066 48.939,44.066 48.955,44.049 48.956,44.049 X2.2
RS485_1_P: C13.1 D6.2 X1.2 | length 11.1
  Top Layer w0.15: v1(46.815,43.408) 46.99,43.583 48.574,43.583 49.317,42.84 D6.2
  Bottom Layer w0.15: C13.1 43.766,42.92 44.43,43.583 46.64,43.583 v1(46.815,43.408) 46.99,43.583 48.739,43.583 48.755,43.567 48.956,43.567 X1.2 ; C13.1@43.779,41.157 C13.1@43.779,41.233
RTS: B1.24 Q1.1 Q1.5 | length 12.1
  Bottom Layer w0.15: Q1.5 51.943,77.19 51.293,77.84 Q1.1 51.293,81.335 51.748,81.79 57.065,81.79 57.395,81.46 B1.24
USB_N: B1.5 B2.6 J2.A7 J2.B7 | length 36.6
  Top Layer w0.15: v1(66.655,87.29) 67.115,86.83 J2.A7 ; J2.B7 73.933,86.33 v1(74.083,86.18)
  Bottom Layer w0.15: B1.5 60.82,77.825 60.935,77.94 63.742,77.94 63.97,78.168 63.97,78.573 64.16,78.763 B2.6 64.16,80.313 63.97,80.503 63.97,81.483 64.627,82.14 66.315,82.14 66.644,82.469 68.822,84.647 68.822,86.009 68.1,86.73 67.215,86.73 v1(66.655,87.29) 66.085,86.72 65.292,86.72 64.95,87.062 64.95,88.228 65.525,88.804 71.919,88.804 72.532,88.19 72.532,87.15 73.237,86.445 73.818,86.445 v1(74.083,86.18)
USB_P: B1.4 B2.7 J2.A6 J2.B6 | length 36.6
  Top Layer w0.15: v1(66.655,85.9) 67.085,86.33 J2.A6 ; J2.B6 73.933,86.83 v1(74.083,86.98)
  Bottom Layer w0.15: B1.4 60.82,78.325 60.935,78.21 63.63,78.21 63.7,78.28 63.7,78.573 63.51,78.763 B2.7 63.51,80.313 63.7,80.503 63.7,81.595 64.515,82.41 66.203,82.41 68.552,84.759 68.552,85.897 67.989,86.46 67.215,86.46 v1(66.655,85.9) 66.105,86.45 65.18,86.45 64.68,86.95 64.68,88.34 65.414,89.074 72.03,89.074 72.802,88.302 72.802,87.262 73.349,86.715 73.818,86.715 v1(74.083,86.98)
pads on no net: B1.1 B1.2 B1.6 B1.10 B1.11 B1.12 B1.13 B1.14 B1.15 B1.16 B1.17 B1.18 B1.19 B1.20 B1.21 B1.22 B1.23 B1.27 B1.29 B2.2 B2.3 B2.4 D5.4 D6.3 J2.A2 J2.A3 J2.A8 J2.A10 J2.A11 J2.B2 J2.B3 J2.B8 J2.B10 J2.B11 J2.MH1 J2.MH2 J2.MH3 J2.MH4 J2.MH5 J2.MH6 J3.MH1 J3.MH2 U1.4 U1.5 U1.6 U1.7 U1.24

## Polygon pours and split planes (outlines as drawn)
GND on Bottom Layer "GND_L04_P022" (solid, remove dead copper, pour order 22): 36.319,92.296 36.883,92.86 75.251,92.86 75.251,22.857 74.676,22.281 36.193,22.281
GND on Top Layer "GND_L01_P021" (solid, remove dead copper, pour order 21): 36.563,92.686 36.697,92.82 75.065,92.82 75.065,22.817 74.529,22.281 36.436,22.281
+5V on Int2 (PWR) (split plane): 74.587,92.026 74.657,91.593 74.708,91.157 74.738,90.72 74.748,90.302 74.746,90.281 74.746,57.112 56.39,57.112 56.325,57.104 56.264,57.078 56.212,57.038 56.172,56.986 56.146,56.925 56.138,56.86 56.138,48.45 56.138,36.222 49.207,36.222 49.207,72.439 65.426,72.498 65.458,72.502 65.49,72.506 65.491,72.507 65.521,72.519 65.551,72.532 65.552,72.532 65.578,72.552 65.603,72.572 65.604,72.572 65.624,72.598 65.643,72.624 65.644,72.624 65.644,72.625 65.656,72.655 65.669,72.685 65.669,72.686 65.673,72.718 65.677,72.75 65.677,92.371 74.514,92.371
+12V on Int2 (PWR) (split plane): 74.746,32.281 74.748,32.261 74.738,31.843 74.708,31.406 74.657,30.97 74.587,30.537 74.496,30.108 74.386,29.684 74.256,29.265 74.107,28.852 73.94,28.447 73.753,28.05 73.549,27.663 73.327,27.284 73.087,26.917 72.831,26.561 72.559,26.217 72.271,25.887 71.968,25.569 71.651,25.267 71.32,24.979 70.977,24.707 70.621,24.45 70.253,24.211 69.875,23.989 69.487,23.784 69.09,23.598 68.685,23.43 68.273,23.281 67.854,23.152 67.43,23.041 67,22.951 66.568,22.88 66.132,22.83 65.695,22.799 65.277,22.79 65.256,22.792 49.207,22.792 49.207,35.718 56.39,35.718 56.455,35.726 56.516,35.752 56.568,35.792 56.608,35.844 56.633,35.905 56.642,35.97 56.642,48.45 56.642,56.608 74.746,56.608
+3V3 on Int2 (PWR) (split plane): 65.173,73.001 48.884,72.942 48.819,72.933 48.758,72.908 48.706,72.868 48.666,72.815 48.641,72.754 48.633,72.689 48.642,72.624 48.667,72.563 48.704,72.515 48.703,72.505 48.703,36.009 48.698,35.97 48.703,35.931 48.703,22.792 46.256,22.792 46.236,22.79 45.818,22.799 45.381,22.83 44.945,22.88 44.512,22.951 44.083,23.041 43.659,23.152 43.24,23.281 42.827,23.43 42.422,23.598 42.025,23.784 41.638,23.989 41.259,24.211 40.892,24.45 40.536,24.707 40.192,24.979 39.862,25.267 39.544,25.569 39.242,25.887 38.954,26.217 38.682,26.561 38.425,26.917 38.186,27.284 37.964,27.663 37.759,28.05 37.573,28.447 37.405,28.852 37.256,29.265 37.127,29.684 37.016,30.108 36.926,30.537 36.855,30.97 36.805,31.406 36.774,31.843 36.765,32.261 36.767,32.281 36.767,90.281 36.765,90.302 36.774,90.72 36.805,91.157 36.855,91.593 36.926,92.026 36.999,92.371 65.173,92.371
GND on Int1 (GND) (split plane): 74.587,92.026 74.657,91.593 74.708,91.157 74.738,90.72 74.748,90.302 74.746,90.281 74.746,32.281 74.748,32.261 74.738,31.843 74.708,31.406 74.657,30.97 74.587,30.537 74.496,30.108 74.386,29.684 74.256,29.265 74.107,28.852 73.94,28.447 73.753,28.05 73.549,27.663 73.327,27.284 73.087,26.917 72.831,26.561 72.559,26.217 72.271,25.887 71.968,25.569 71.651,25.267 71.32,24.979 70.977,24.707 70.621,24.45 70.253,24.211 69.875,23.989 69.487,23.784 69.09,23.598 68.685,23.43 68.273,23.281 67.854,23.152 67.43,23.041 67,22.951 66.568,22.88 66.132,22.83 65.695,22.799 65.277,22.79 65.256,22.792 46.256,22.792 46.236,22.79 45.818,22.799 45.381,22.83 44.945,22.88 44.512,22.951 44.083,23.041 43.659,23.152 43.24,23.281 42.827,23.43 42.422,23.598 42.025,23.784 41.638,23.989 41.259,24.211 40.892,24.45 40.536,24.707 40.192,24.979 39.862,25.267 39.544,25.569 39.242,25.887 38.954,26.217 38.682,26.561 38.425,26.917 38.186,27.284 37.964,27.663 37.759,28.05 37.573,28.447 37.405,28.852 37.256,29.265 37.127,29.684 37.016,30.108 36.926,30.537 36.855,30.97 36.805,31.406 36.774,31.843 36.765,32.261 36.767,32.281 36.767,90.281 36.765,90.302 36.774,90.72 36.805,91.157 36.855,91.593 36.926,92.026 36.989,92.324 74.524,92.324

## Other copper
Int1 (GND) (plane layer: these items are gaps in the copper):
  rectangle: 36.281,92.5 75.25,100.625
  lines w0.3: 36.425,92.475 75.025,92.475
Int2 (PWR) (plane layer: these items are gaps in the copper):
  rectangle: 36.506,92.5 75.25,100.625
  lines w0.254: 36.281,92.5 75.052,92.5 ; 48.95,35.97 48.95,36.759
  lines w0.5: 48.885,72.69 65.425,72.75 65.425,100.71 ; 48.95,35.97 56.39,35.97 56.39,48.45 56.39,56.86 75.256,56.86 ; 48.955,22.096 48.955,72.505

## Silkscreen, mask and mechanical layers (free items; w line width, h text height)
Top Overlay:
  drawing of 13 lines, arcs and shapes, not listed
  text "IO18" at 43.672,86.984 h0.5 r90
  text "IO19" at 43.621,84.369 h0.5 r90
  text "IO21" at 43.589,81.859 h0.5 r90
  text "IO22" at 43.621,79.338 h0.5 r90
  text "(IO13)" at 68.043,77.899 h0.5
  text "IO23" at 43.663,76.668 h0.5 r90
  text "IO5" at 43.706,74.359 h0.5 r90
  text "+5V" at 43.76,71.515 h0.5 r90
  text "KEY" at 55.115,66.647 h0.5
  text "TX" at 57.78,66.647 h0.5
  text "RX" at 60.288,66.647 h0.5
  text "GND" at 62.554,66.641 h0.5
  text "SLEEP" at 46.99,66.637 h0.5
  text "GND" at 50.035,66.637 h0.5
  text "+5V" at 52.346,66.637 h0.5
  text "(IO14)" at 67.923,55.629 h0.5
  text "GND" at 46.372,50.776 h0.5 r90
  text "A+" at 46.356,46.115 h0.5 r90
  text "B-" at 46.336,40.795 h0.5 r90
  text "Version v1.0" at 68.299,32.823 h0.5
  text "09/05/2023" at 68.14,31.793 h0.5
Mechanical 5:
  circle w0.013: c43.256,94.781 r1.5
  circle w0.013: c68.256,94.781 r1.5
  circle w0.013: c68.256,27.781 r1.5
  circle w0.013: c43.256,27.781 r1.5
  lines w0.013: 36.256,32.281 ccw(c46.256,32.281) 46.256,22.281 65.256,22.281 ccw(c65.256,32.281) 75.256,32.281 75.256,90.281 ccw(c65.256,90.281) 65.256,100.281 46.256,100.281 ccw(c46.256,90.281) 36.256,90.281 36.256,32.281